# Altium PCB OLD_DIOT_temperature_logger.PcbDoc (part 1 of 6) (continued)
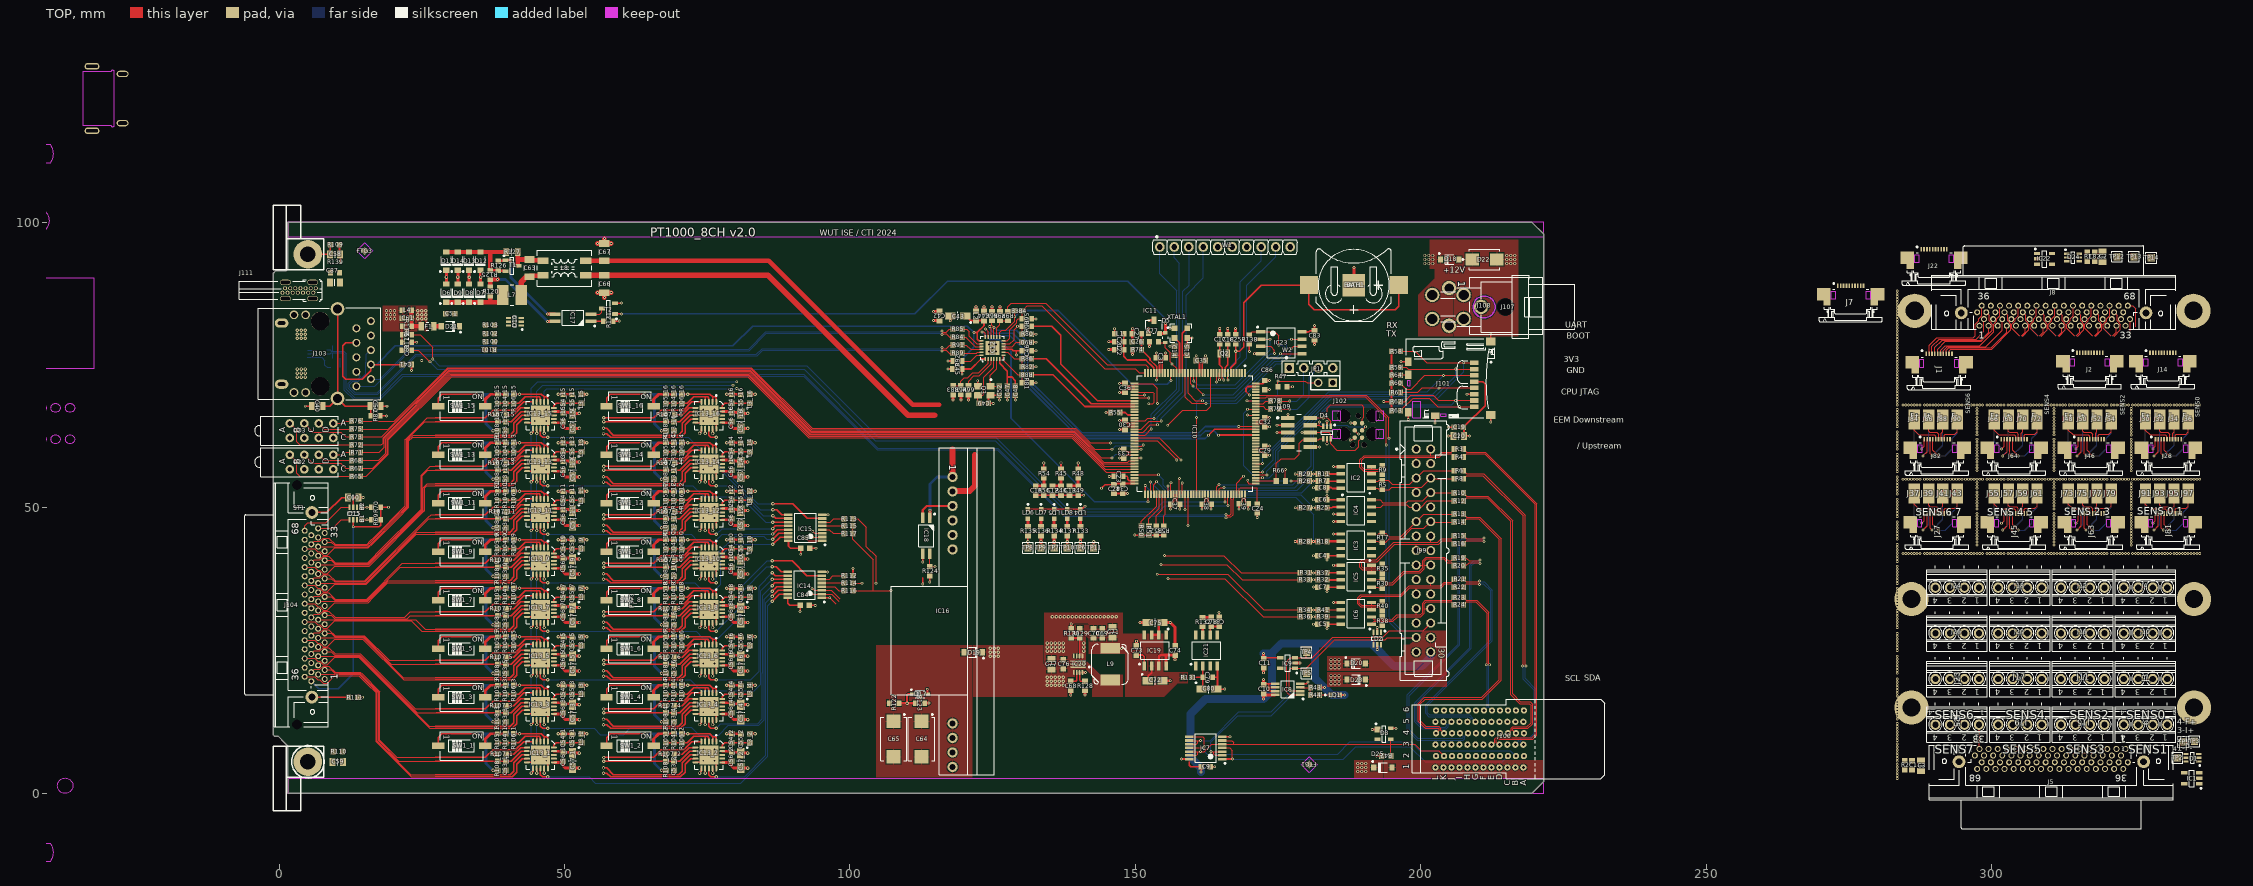
[diagram p0: TOP view]
## Classes and differential pairs
net class DEBUG: JRST RSTn SWCLK SWDIO TDI TDO
net class SPI: SPI1_CS SPI1_MISO SPI1_MOSI SPI1_NSS SPI1_SCK
net class QSPI: QSPI_BK1_CLK QSPI_BK1_D0 QSPI_BK1_D1 QSPI_BK1_D2 QSPI_BK1_D3 QSPI_BK1_NSS
net class SD: SD_CK SD_CMD SD_D0 SD_D1 SD_D2 SD_D3 SD_SW
net class LVDS: BP_IO.LVDS0_N BP_IO.LVDS0_P BP_IO.LVDS1_N BP_IO.LVDS1_P BP_IO.LVDS2_N BP_IO.LVDS2_P BP_IO.LVDS3_N BP_IO.LVDS3_P BP_IO.LVDS4_N BP_IO.LVDS4_P BP_IO.LVDS5_N BP_IO.LVDS5_P BP_IO.LVDS6_N BP_IO.LVDS6_P BP_IO.LVDS7_N BP_IO.LVDS7_P LVDS0_N LVDS0_P LVDS1_N LVDS1_P LVDS2_N LVDS2_P LVDS3_N LVDS3_P LVDS4_N LVDS4_P LVDS5_N LVDS5_P LVDS6_N LVDS6_P LVDS7_N LVDS7_P
net class PHY: AVDDT_PHY PHY_RD_N PHY_RD_P PHY_TD_N PHY_TD_P RD_N RD_P TD_N TD_P
net class RMII: PHY_NRST RMII_CRS_DV RMII_MDC RMII_MDIO RMII_REF_CLK RMII_RXD0 RMII_RXD1 RMII_TX_EN RMII_TXD0 RMII_TXD1
component class Designator: C1 C2 C3 C82 D1 D24 IC1 IC22 J1 J2 J3 J4 J5 J6 J7 J8 J9 J10 J11 J12 J13 J14 J15 J16 J17 J18 J19 J20 J21 J22 J23 J24 J25 J26 J27 J28 J29 J30 J31 J32 J33 J34 J35 J36 J37 J38 J39 J40 J41 J42 J43 J44 J45 J46 J47 J48 J49 J50 J51 J52 J53 J54 J55 J56 J57 J58 J59 J60 J61 J62 J63 J64 J65 J66 J67 J68 J69 J70 J71 J72 J73 J74 J75 J76 J77 J78 J79 J80 J81 J82 J83 J84 J85 J86 J87 J88 J89 J90 J91 J92 J93 J94 J95 J96 J97 J98 R1 R2 TP1 TP2 TP3 TP12 TP13 TP14
net class PWR: P12V0_DIOT
component class RTD_15: C53_16 C54_16 C55_16 C56_16 C57_16 IC13_16 L3_16 R104_16 R105_16 R106_16 R107_16 R108_16 SW1_16
component class RTD_14: C53_15 C54_15 C55_15 C56_15 C57_15 IC13_15 L3_15 R104_15 R105_15 R106_15 R107_15 R108_15 SW1_15
component class RTD_13: C53_14 C54_14 C55_14 C56_14 C57_14 IC13_14 L3_14 R104_14 R105_14 R106_14 R107_14 R108_14 SW1_14
component class RTD_12: C53_13 C54_13 C55_13 C56_13 C57_13 IC13_13 L3_13 R104_13 R105_13 R106_13 R107_13 R108_13 SW1_13
component class RTD_11: C53_12 C54_12 C55_12 C56_12 C57_12 IC13_12 L3_12 R104_12 R105_12 R106_12 R107_12 R108_12 SW1_12
component class RTD_10: C53_11 C54_11 C55_11 C56_11 C57_11 IC13_11 L3_11 R104_11 R105_11 R106_11 R107_11 R108_11 SW1_11
component class RTD_09: C53_10 C54_10 C55_10 C56_10 C57_10 IC13_10 L3_10 R104_10 R105_10 R106_10 R107_10 R108_10 SW1_10
component class RTD_08: C53_9 C54_9 C55_9 C56_9 C57_9 IC13_9 L3_9 R104_9 R105_9 R106_9 R107_9 R108_9 SW1_9
component class RTD_07: C53_8 C54_8 C55_8 C56_8 C57_8 IC13_8 L3_8 R104_8 R105_8 R106_8 R107_8 R108_8 SW1_8
component class RTD_06: C53_7 C54_7 C55_7 C56_7 C57_7 IC13_7 L3_7 R104_7 R105_7 R106_7 R107_7 R108_7 SW1_7
component class RTD_05: C53_6 C54_6 C55_6 C56_6 C57_6 IC13_6 L3_6 R104_6 R105_6 R106_6 R107_6 R108_6 SW1_6
component class RTD_04: C53_5 C54_5 C55_5 C56_5 C57_5 IC13_5 L3_5 R104_5 R105_5 R106_5 R107_5 R108_5 SW1_5
channel class RTD: RTD_00 RTD_01 RTD_02 RTD_03 RTD_04 RTD_05 RTD_06 RTD_07 RTD_08 RTD_09 RTD_10 RTD_11 RTD_12 RTD_13 RTD_14 RTD_15
component class RTD_03: C53_4 C54_4 C55_4 C56_4 C57_4 IC13_4 L3_4 R104_4 R105_4 R106_4 R107_4 R108_4 SW1_4
component class RTD_02: C53_3 C54_3 C55_3 C56_3 C57_3 IC13_3 L3_3 R104_3 R105_3 R106_3 R107_3 R108_3 SW1_3
component class RTD_01: C53_2 C54_2 C55_2 C56_2 C57_2 IC13_2 L3_2 R104_2 R105_2 R106_2 R107_2 R108_2 SW1_2
component class RTD_00: C53_1 C54_1 C55_1 C56_1 C57_1 IC13_1 L3_1 R104_1 R105_1 R106_1 R107_1 R108_1 SW1_1
net class HPOW: NetC63_1 NetC63_2 NetC66_2 NetC67_2 P12V0_POE POE_VC+ POE_VC- VIN
component class EEM_connector: C4 C5 C6 C7 C8 C9 C10 C11 D2 D3 IC2 IC3 IC4 IC5 IC6 IC7 IC8 IC9 J99 J100 LD1 R3 R4 R5 R6 R7 R8 R9 R10 R11 R12 R13 R14 R15 R16 R17 R18 R19 R20 R21 R22 R23 R24 R25 R30 R32 R35 R37 R38 R39 R40 R41 R42 R43 R44 TP4 TP5
component class Thermostat_16CH: C58 C59 C60 C84 C85 D15 FTG1 FTG2 FTG3 FTG4 IC14 IC15 J104 R26 R27 R28 R29 R31 R33 R34 R36 R109 R110 R111 R112 R113 R114 R115 R116 R117 SCREW5 SCREW6 SCREW7 SCREW8 ST1 Standoff1 Standoff2 Standoff4
net class HV: NetC63_1 NetC63_2 NetC66_2 NetC67_2 NetIC16_3 NetIC17_3 NetIC17_4 POE_IN1 POE_IN2 POE_IN3 POE_IN4 POE_VC+ POE_VC-
component class USB: C61 C62 C87 D16 F1 J105 J110 J111 L4 L5 L6 R57 R118 R119 R139
component class U_STM32_F4CPU: B1 B2 BAT1 BATH1 C12 C13 C14 C15 C16 C17 C18 C19 C20 C21 C22 C23 C24 C25 C26 C27 C28 C29 C30 C31 C32 C33 C34 C35 C36 C37 C38 C39 C83 C86 D4 D5 IC10 IC11 IC23 J101 J102 J109 JP1 L1 LD2 LD3 Q2 R45 R46 R47 R48 R49 R50 R51 R52 R53 R54 R55 R56 R58 R59 R60 R61 R62 R63 R64 R65 R66 R67 R68 R69 R70 R71 R72 R73 R74 R75 R76 R77 R78 R79 R138 W1 W2 XTAL1
component class RMII_Ethernet: B3 B4 C40 C41 C42 C43 C44 C45 C46 C47 C48 C49 C50 C51 C52 D6 D7 D8 D9 D10 D11 D12 D13 D14 IC12 J103 L2 Q3 R80 R81 R82 R83 R84 R85 R86 R87 R88 R89 R90 R91 R92 R93 R94 R95 R96 R97 R98 R99 R100 R101 R102 R103
component class U_Thermostat_Supply: C63 C64 C65 C66 C67 C68 C69 C70 C71 C72 C73 C74 C75 C76 C77 C78 C79 C80 C81 D17 D18 D19 D20 D21 D22 D23 D25 IC16 IC17 IC18 IC19 IC20 IC21 J107 J108 L7 L8 L9 LD4 LD5 LD6 LD7 LD8 R120 R121 R122 R123 R124 R125 R126 R127 R128 R129 R130 R131 R132 R133 R134 R135 R136 R137 T1 T2 TP6 TP7 TP8 TP9 TP10 TP11
differential pair BP_IO.LVDS1: +BP_IO.LVDS1_P -BP_IO.LVDS1_N
differential pair BP_IO.LVDS0: +BP_IO.LVDS0_P -BP_IO.LVDS0_N
differential pair BP_IO.LVDS3: +BP_IO.LVDS3_P -BP_IO.LVDS3_N
differential pair BP_IO.LVDS7: +BP_IO.LVDS7_P -BP_IO.LVDS7_N
differential pair BP_IO.LVDS6: +BP_IO.LVDS6_P -BP_IO.LVDS6_N
differential pair BP_IO.LVDS5: +BP_IO.LVDS5_P -BP_IO.LVDS5_N
differential pair BP_IO.LVDS4: +BP_IO.LVDS4_P -BP_IO.LVDS4_N
differential pair BP_IO.LVDS2: +BP_IO.LVDS2_P -BP_IO.LVDS2_N
differential pair LVDS7: +LVDS7_P -LVDS7_N
differential pair LVDS6: +LVDS6_P -LVDS6_N
differential pair LVDS5: +LVDS5_P -LVDS5_N
differential pair LVDS4: +LVDS4_P -LVDS4_N
differential pair LVDS3: +LVDS3_P -LVDS3_N
differential pair LVDS2: +LVDS2_P -LVDS2_N
differential pair LVDS1: +LVDS1_P -LVDS1_N
differential pair LVDS0: +LVDS0_P -LVDS0_N
differential pair TD: +TD_P -TD_N
differential pair RD: +RD_P -RD_N
differential pair USB: +USB_P -USB_N
differential pair USBJ: +USBJ_P -USBJ_N
differential pair PHY_TD: +PHY_TD_P -PHY_TD_N
differential pair PHY_RD: +PHY_RD_P -PHY_RD_N

## Components (designator, comment, footprint, x,y, rotation, side; value= is the part's Value field where it differs from the comment)
B1 "SMD Pad" C100 14.5,47.9 r90 top
B2 "SMD Pad" C100 14.5,50.1 r90 top
B3 "SMD Pad" C100 128.9,84.5 r0 top
B4 "SMD Pad" C100 130.2,84.5 r0 top
BAT1 "3V" BAT_VARTA_CR1220 188.3,89 r0 top
BATH1 "Value" BATH_KEYSTONE_3000 188.3,89 r0 top locked
C1 "100nF" CAPC1608X87N 286.1,4.9 r90 top
C2 "Undefined" CAPC2012X135N 319.5,93.999 r90 top
C3 "Undefined" CAPC2012X135N 287.7,4.8 r90 top
C4 "100nF" CAPC1608X87N 182.8,41.6 r180 top
C5 "100nF" CAPC1608X87N 182.8,29.6 r180 top
C6 "100nF" CAPC1608X87N 182.8,51.4 r0 top
C7 "100nF" CAPC1608X87N 182.8,36.1 r180 top
C8 "100nF" CAPC1608X87N 182.8,53.5 r180 top
C9 "100nF" CAPC1608X87N 162.35,4.625 r180 top
C10 "100nF" CAPC1608X87N 172.5,18.2 r270 top
C11 "100nF" CAPC1608X87N 172.5,22.8 r90 top
C12 "100nF" CAPC1608X87N 135.5,53 r90 top
C13 "100nF" CAPC1608X87N 138.5,53 r90 top
C14 "12pF" CAPC1608X87N 156.9,77.5 r90 top
C15 "12pF" CAPC1608X87N 159.1,77.5 r90 top
C16 "100nF" CAPC1608X87N 132.591,53 r90 top
C17 "12pF" CAPC1608X87N 164.8,79.5 r90 top
C18 "12pF" CAPC1608X87N 166.2,79.5 r90 top
C19 "100nF" CAPC1608X87N 206.7,64.1 r0 top
C20 "22uF" CAPC2012X135N 206.7,62.6 r0 top
C21 "1uF" CAPC1608X87N 147.2,79.1 r0 top
C22 "10nF" CAPC1608X87N 147.2,77.7 r0 top
C23 "2.2uF" CAPC1608X90N 147.1,55.5 r0 top
C24 "2.2uF" CAPC1608X90N 171.4,49.9 r90 top
C25 "100nF" CAPC1608X87N 167.6,79.5 r270 top
C26 "10nF" CAPC1608X87N 150.3,79.1 r0 top
C27 "1uF" CAPC1608X87N 150.3,80.5 r0 top
C28 "10uF" CAPC1608X80N 146.3,53.3 r270 top
C29 "100nF" CAPC1608X87N 172.7,60 r90 top
C30 "100nF" CAPC1608X87N 148.2,64.5 r270 top
C31 "100nF" CAPC1608X87N 154.5,76.3 r0 top
C32 "100nF" CAPC1608X87N 172.7,65 r90 top
C33 "100nF" CAPC1608X87N 148,59.5 r270 top
C34 "100nF" CAPC1608X87N 147.8,53.3 r90 top
C35 "100nF" CAPC1608X87N 161.5,75.8 r180 top
C36 "100nF" CAPC1608X87N 148.2,71 r270 top
C37 "100nF" CAPC1608X87N 157,50.6 r0 top
C38 "100nF" CAPC1608X87N 162.5,50.6 r0 top
C39 "100nF" CAPC1608X87N 169,50.7 r0 top
C40 "Undefined" CAPC2012X135N 6.7,67.8 r180 top
C41 "100nF" CAPC1608X87N 22.4,75.1 r180 top
C42 "100nF" CAPC1608X87N 115.7,83.6 r270 top
C43 "10uF" CAPMP3216X180N 118.9,83.6 r180 top
C44 "100nF" CAPC1608X87N 123.5,83.6 r270 top
C45 "100nF" CAPC1608X87N 118.85,74.3 r0 top
C46 "100nF" CAPC1608X87N 131,77.5 r180 top
C47 "1uF" CAPC1608X87N 127.6,70.5 r90 top
C48 "10nF" CAPC1608X87N 129,70.5 r90 top
C49 "18pF" CAPC1608X87N 123.5,68.3 r180 top
C50 "Undefined" CAPC2012X135N 16.9,67.8 r0 top
C51 "100nF" CAPC1608X87N 30,84 r180 top
C52 "18pF" CAPC1608X87N 126.2,70.5 r90 top
C53_1 "100nF" CAPC1608X87N 39.7,4.8 r90 top (schematic designator C53)
C53_2 "100nF" CAPC1608X87N 69.2,4.8 r90 top (schematic designator C53)
C53_3 "100nF" CAPC1608X87N 39.7,13.3 r90 top (schematic designator C53)
C53_4 "100nF" CAPC1608X87N 69.2,13.3 r90 top (schematic designator C53)
C53_5 "100nF" CAPC1608X87N 39.7,21.8 r90 top (schematic designator C53)
C53_6 "100nF" CAPC1608X87N 69.2,21.8 r90 top (schematic designator C53)
C53_7 "100nF" CAPC1608X87N 39.7,30.3 r90 top (schematic designator C53)
C53_8 "100nF" CAPC1608X87N 69.2,30.3 r90 top (schematic designator C53)
C53_9 "100nF" CAPC1608X87N 39.7,38.8 r90 top (schematic designator C53)
C53_10 "100nF" CAPC1608X87N 69.2,38.8 r90 top (schematic designator C53)
C53_11 "100nF" CAPC1608X87N 39.7,47.3 r90 top (schematic designator C53)
C53_12 "100nF" CAPC1608X87N 69.2,47.3 r90 top (schematic designator C53)
C53_13 "100nF" CAPC1608X87N 39.7,55.8 r90 top (schematic designator C53)
C53_14 "100nF" CAPC1608X87N 69.2,55.8 r90 top (schematic designator C53)
C53_15 "100nF" CAPC1608X87N 39.7,64.3 r90 top (schematic designator C53)
C53_16 "100nF" CAPC1608X87N 69.2,64.3 r90 top (schematic designator C53)
C54_1 "100nF" CAPC1608X87N 49.8,9.6 r270 top (schematic designator C54)
C54_2 "100nF" CAPC1608X87N 79.3,9.6 r270 top (schematic designator C54)
C54_3 "100nF" CAPC1608X87N 49.8,18.1 r270 top (schematic designator C54)
C54_4 "100nF" CAPC1608X87N 79.3,18.1 r270 top (schematic designator C54)
C54_5 "100nF" CAPC1608X87N 49.8,26.6 r270 top (schematic designator C54)
C54_6 "100nF" CAPC1608X87N 79.3,26.6 r270 top (schematic designator C54)
C54_7 "100nF" CAPC1608X87N 49.8,35.1 r270 top (schematic designator C54)
C54_8 "100nF" CAPC1608X87N 79.3,35.1 r270 top (schematic designator C54)
C54_9 "100nF" CAPC1608X87N 49.8,43.6 r270 top (schematic designator C54)
C54_10 "100nF" CAPC1608X87N 79.3,43.6 r270 top (schematic designator C54)
C54_11 "100nF" CAPC1608X87N 49.8,52.1 r270 top (schematic designator C54)
C54_12 "100nF" CAPC1608X87N 79.3,52.1 r270 top (schematic designator C54)
C54_13 "100nF" CAPC1608X87N 49.8,60.6 r270 top (schematic designator C54)
C54_14 "100nF" CAPC1608X87N 79.3,60.6 r270 top (schematic designator C54)
C54_15 "100nF" CAPC1608X87N 49.8,69.1 r270 top (schematic designator C54)
C54_16 "100nF" CAPC1608X87N 79.3,69.1 r270 top (schematic designator C54)
C55_1 "2.2uF" CAPC1608X90N 51.4,9.6 r270 top (schematic designator C55)
C55_2 "2.2uF" CAPC1608X90N 80.9,9.6 r270 top (schematic designator C55)
C55_3 "2.2uF" CAPC1608X90N 51.4,18.1 r270 top (schematic designator C55)
C55_4 "2.2uF" CAPC1608X90N 80.9,18.1 r270 top (schematic designator C55)
C55_5 "2.2uF" CAPC1608X90N 51.4,26.6 r270 top (schematic designator C55)
C55_6 "2.2uF" CAPC1608X90N 80.9,26.6 r270 top (schematic designator C55)
C55_7 "2.2uF" CAPC1608X90N 51.4,35.1 r270 top (schematic designator C55)
C55_8 "2.2uF" CAPC1608X90N 80.9,35.1 r270 top (schematic designator C55)
C55_9 "2.2uF" CAPC1608X90N 51.4,43.6 r270 top (schematic designator C55)
C55_10 "2.2uF" CAPC1608X90N 80.9,43.6 r270 top (schematic designator C55)
C55_11 "2.2uF" CAPC1608X90N 51.4,52.1 r270 top (schematic designator C55)
C55_12 "2.2uF" CAPC1608X90N 80.9,52.1 r270 top (schematic designator C55)
C55_13 "2.2uF" CAPC1608X90N 51.4,60.6 r270 top (schematic designator C55)
C55_14 "2.2uF" CAPC1608X90N 80.9,60.6 r270 top (schematic designator C55)
C55_15 "2.2uF" CAPC1608X90N 51.4,69.1 r270 top (schematic designator C55)
C55_16 "2.2uF" CAPC1608X90N 80.9,69.1 r270 top (schematic designator C55)
C56_1 "100nF" CAPC1608X87N 49.8,6.375 r90 top (schematic designator C56)
C56_2 "100nF" CAPC1608X87N 79.3,6.375 r90 top (schematic designator C56)
C56_3 "100nF" CAPC1608X87N 49.8,14.875 r90 top (schematic designator C56)
C56_4 "100nF" CAPC1608X87N 79.3,14.875 r90 top (schematic designator C56)
C56_5 "100nF" CAPC1608X87N 49.8,23.375 r90 top (schematic designator C56)
C56_6 "100nF" CAPC1608X87N 79.3,23.375 r90 top (schematic designator C56)
C56_7 "100nF" CAPC1608X87N 49.8,31.875 r90 top (schematic designator C56)
C56_8 "100nF" CAPC1608X87N 79.3,31.875 r90 top (schematic designator C56)
C56_9 "100nF" CAPC1608X87N 49.8,40.375 r90 top (schematic designator C56)
C56_10 "100nF" CAPC1608X87N 79.3,40.375 r90 top (schematic designator C56)
C56_11 "100nF" CAPC1608X87N 49.8,48.875 r90 top (schematic designator C56)
C56_12 "100nF" CAPC1608X87N 79.3,48.875 r90 top (schematic designator C56)
C56_13 "100nF" CAPC1608X87N 49.8,57.375 r90 top (schematic designator C56)
C56_14 "100nF" CAPC1608X87N 79.3,57.375 r90 top (schematic designator C56)
C56_15 "100nF" CAPC1608X87N 49.8,65.875 r90 top (schematic designator C56)
C56_16 "100nF" CAPC1608X87N 79.3,65.875 r90 top (schematic designator C56)
C57_1 "10uF" CAPMP3216X180N 51.4,5.7 r270 top (schematic designator C57)
C57_2 "10uF" CAPMP3216X180N 80.9,5.7 r270 top (schematic designator C57)
C57_3 "10uF" CAPMP3216X180N 51.4,14.2 r270 top (schematic designator C57)
C57_4 "10uF" CAPMP3216X180N 80.9,14.2 r270 top (schematic designator C57)
C57_5 "10uF" CAPMP3216X180N 51.4,22.7 r270 top (schematic designator C57)
C57_6 "10uF" CAPMP3216X180N 80.9,22.7 r270 top (schematic designator C57)
C57_7 "10uF" CAPMP3216X180N 51.4,31.2 r270 top (schematic designator C57)
C57_8 "10uF" CAPMP3216X180N 80.9,31.2 r270 top (schematic designator C57)
C57_9 "10uF" CAPMP3216X180N 51.4,39.7 r270 top (schematic designator C57)
C57_10 "10uF" CAPMP3216X180N 80.9,39.7 r270 top (schematic designator C57)
C57_11 "10uF" CAPMP3216X180N 51.4,48.2 r270 top (schematic designator C57)
C57_12 "10uF" CAPMP3216X180N 80.9,48.2 r270 top (schematic designator C57)
C57_13 "10uF" CAPMP3216X180N 51.4,56.7 r270 top (schematic designator C57)
C57_14 "10uF" CAPMP3216X180N 80.9,56.7 r270 top (schematic designator C57)
C57_15 "10uF" CAPMP3216X180N 51.4,65.2 r270 top (schematic designator C57)
C57_16 "10uF" CAPMP3216X180N 80.9,65.2 r270 top (schematic designator C57)
C58 "Undefined" CAPC2012X135N 9.8,94.4 r0 top
C59 "Undefined" CAPC2012X135N 10.3,5.5 r0 top
C60 "Undefined" CAPC2012X135N 13,51.8 r180 top
C61 "100nF" CAPC1608X87N 22.4,83.2 r0 top
C62 "100nF" CAPC1608X87N 22.4,77.6 r0 top
C63 "4.7nF" CAPC3216X140N 43.9,92 r270 top
C64 "220uF" CAPMP7343X430N 112.575,9.475 r270 top
C65 "220uF" CAPMP7343X430N 107.675,9.475 r270 top
C66 "4.7nF" CAPC3216X140N 57,89.2 r90 top
C67 "4.7nF" CAPC3216X140N 57,94.8 r270 top
C68 "100nF" CAPC1608X87N 138.7,18.8 r90 top
C69 "100nF" CAPC1608X87N 144.2,28 r270 top
C70 "100nF" CAPC1608X87N 142.7,28 r270 top
C71 "22uF" CAPC2012X135N 146,28.2 r270 top
C72 "10uF" CAPMP3216X180N 153.5,19.7 r0 top
C73 "100nF" CAPC1608X87N 150.2,25 r270 top
C74 "100nF" CAPC1608X87N 157,25 r90 top
C75 "10uF" CAPMP3216X180N 153.5,29.9 r180 top
C76 "100nF" CAPC1608X87N 137.4,22.6 r270 top
C77 "22uF" CAPC2012X135N 135.3,22.6 r270 top
C78 "10nF" CAPC1608X87N 163.3,30 r90 top
C79 "100nF" CAPC1608X87N 162.7,20.3 r180 top
C80 "10uF" CAPMP3216X180N 162.9,18.225 r0 top
C81 "100nF" CAPC1608X87N 164.7,30 r270 top
C82 "100nF" CAPC1608X87N 318.1,93.999 r90 top
C83 "100nF" CAPC1608X87N 181.4,80.2 r90 top
C84 "100nF" CAPC1608X87N 92.1,32.9 r180 top
C85 "100nF" CAPC1608X87N 92.2,42.9 r180 top
C86 "100nF" CAPC1608X87N 172.7,71.5 r90 top
C87 "Undefined" CAPC2012X135N 9.8,89.5 r180 top
D1 "DRTR5V0U4S-7" SOT65P210X110-6N 335.2,6.2 r180 top
D2 "DRTR5V0U4S-7" SOT65P210X110-6N 192.4,27.1 r270 top
D3 "PRTR5V0U2X" SOT190P230X110-4N 193.6,10.4 r0 top
D4 "DRTR5V0U4S-7" SOT65P210X110-6N 183.6,63.2 r270 top
D5 "CDBU0520-HF" SOD-523F 155.3,79.8 r270 top
D6 "PMEG6020ER" SODFL3517X110N 29.3,87.6 r90 top
D7 "PMEG6020ER" SODFL3517X110N 35.3,87.6 r90 top
D8 "PMEG6020ER" SODFL3517X110N 33.3,87.6 r90 top
D9 "PMEG6020ER" SODFL3517X110N 31.3,87.6 r90 top
D10 "DRTR5V0U4S-7" SOT65P210X110-6N 41.3,82.6 r180 top
D11 "PMEG6020ER" SODFL3517X110N 29.3,93.2 r90 top
D12 "PMEG6020ER" SODFL3517X110N 35.3,93.2 r90 top
D13 "PMEG6020ER" SODFL3517X110N 33.3,93.2 r90 top
D14 "PMEG6020ER" SODFL3517X110N 31.3,93.2 r90 top
D15 "DRTR5V0U4S-7" SOT65P210X110-6N 13,49 r270 top
D16 "DRTR5V0U4S-7" SOT65P210X110-6N 10.1,77.3 r90 bottom
D17 "MM3Z3V3ST1G" SOD2512X110N 112.275,17.375 r0 top
D18 "PMEG6020ER" SODFL3517X110N 205.1,93.5 r0 top
D19 "PMEG6020ER" SODFL3517X110N 121.6,24.7 r180 top
D20 "PMEG6020ER" SODFL3517X110N 188.7,22.7 r0 top
D21 "PMEG6020ER" SODFL3517X110N 30,81.8 r180 top
D22 "SMBJ15A" DIOM5336X265N 211.2,93.5 r0 top
D23 "PMEG6020ER" SODFL3517X110N 188.7,19.9 r180 top
D24 "DRTR5V0U4S-7" SOT65P210X110-6N 314.3,93.85 r0 top
D25 "PMEG6020ER" SODFL3517X110N 193.4,4.5 r0 top
F1 "500mA-6V" FUSR_BOURNS_MF-PSMF050 26,81.8 r0 top
FTG1 "Use only in PCB" FIDUCIAL_TOP_S100-200 180.5,5 r90 top
FTG2 "Use only in PCB" FIDUCIAL_TOP_S100-200 13,95 r0 bottom
FTG3 "Use only in PCB" FIDUCIAL_TOP_S100-200 15,95 r90 top
FTG4 "Use only in PCB" FIDUCIAL_TOP_S100-200 195,5 r90 bottom
IC1 "24AA02E48T-I/OT" SOT95P280X145-5N 335.1,2.6 r180 top
IC2 "FIN1028MX" SOIC127P600X175-8N 188.7,55.3 r180 top
IC3 "FIN1028MX" SOIC127P600X175-8N 188.7,43.5 r180 top
IC4 "FIN1027AMX" SOIC127P600X175-8N 188.7,49.5 r0 top
IC5 "FIN1028MX" SOIC127P600X175-8N 188.7,38 r180 top
IC6 "FIN1028MX" SOIC127P600X175-8N 188.7,31.5 r180 top
IC7 "74HC4066PW" SOP65P640X110-14N 162.35,7.925 r180 top
IC8 "LM75AIMM/NOPB" SOP65P490X109-8N 176.7,18.2 r180 top
IC9 "24AA02E48T-I/OT" SOT95P280X145-5N 176.7,22.8 r180 top
IC10 "STM32H743ZIT6" FP-LQFP144-1A-MFG 160.5,63 r270 top locked
IC11 "STM809SWX6F" SOT-23 153.3,81.7 r0 top
IC12 "LAN8742A-CZ-TR" QFN24_0R5_4X4 125,78 r90 top
IC13_1 "MAX31865ATP+" QFN65P500X500X80-21N-S335 45.8,6.7 r270 top (schematic designator IC13)
IC13_2 "MAX31865ATP+" QFN65P500X500X80-21N-S335 75.3,6.7 r270 top (schematic designator IC13)
IC13_3 "MAX31865ATP+" QFN65P500X500X80-21N-S335 45.8,15.2 r270 top (schematic designator IC13)
IC13_4 "MAX31865ATP+" QFN65P500X500X80-21N-S335 75.3,15.2 r270 top (schematic designator IC13)
IC13_5 "MAX31865ATP+" QFN65P500X500X80-21N-S335 45.8,23.7 r270 top (schematic designator IC13)
IC13_6 "MAX31865ATP+" QFN65P500X500X80-21N-S335 75.3,23.7 r270 top (schematic designator IC13)
IC13_7 "MAX31865ATP+" QFN65P500X500X80-21N-S335 45.8,32.2 r270 top (schematic designator IC13)
IC13_8 "MAX31865ATP+" QFN65P500X500X80-21N-S335 75.3,32.2 r270 top (schematic designator IC13)
IC13_9 "MAX31865ATP+" QFN65P500X500X80-21N-S335 45.8,40.7 r270 top (schematic designator IC13)
IC13_10 "MAX31865ATP+" QFN65P500X500X80-21N-S335 75.3,40.7 r270 top (schematic designator IC13)
IC13_11 "MAX31865ATP+" QFN65P500X500X80-21N-S335 45.8,49.2 r270 top (schematic designator IC13)
IC13_12 "MAX31865ATP+" QFN65P500X500X80-21N-S335 75.3,49.2 r270 top (schematic designator IC13)
IC13_13 "MAX31865ATP+" QFN65P500X500X80-21N-S335 45.8,57.7 r270 top (schematic designator IC13)
IC13_14 "MAX31865ATP+" QFN65P500X500X80-21N-S335 75.3,57.7 r270 top (schematic designator IC13)
IC13_15 "MAX31865ATP+" QFN65P500X500X80-21N-S335 45.8,66.2 r270 top (schematic designator IC13)
IC13_16 "MAX31865ATP+" QFN65P500X500X80-21N-S335 75.3,66.2 r270 top (schematic designator IC13)
IC14 "74HC138PW" SOP65P640X110-16N 92.1,36.5 r180 top
IC15 "74HC138PW" SOP65P640X110-16N 92.2,46.5 r180 top
IC16 "AG5300" SILVERTEL_AG5300 118,30 r270 top locked
IC17 "ACPL-217-500E" SOIC127P700X242-4N 51.5,83.3 r180 top
IC18 "ACPL-217-500E" SOIC127P700X242-4N 113.4,45.1 r270 top
IC19 "MAX6126AASA30+" SOIC127P600X175-8N 153.5,25 r90 top
IC20 "TPS62148RGX" TEXAS_RGX0011A 140,22.6 r180 top
IC21 "ADR433BRZ" SOIC127P600X175-8N 162.5,25 r90 top
IC22 "24AA02E48T-I/OT" SOT95P280X145-5N 309.3,93.6 r0 top
IC23 "W25Q128FVSIG" SOIC127P790X216-8N 175.6,78.9 r0 top
J1 "FFC/FPC" MOLEX_52745-1097#1 290.84,77 r0 top
J2 "FFC/FPC" MOLEX_52745-1097#2 317.24,77.136 r0 top
J3 "" PHOENIX_1725672 327,20 r180 top
J4 "" PHOENIX_1725672 327,36 r180 top
J5 "DNP" MOLEX_71430-0013 310.5,6 r180 top
J6 "FFC/FPC" MOLEX_52745-1097#2 290.84,77 r180 bottom
J7 "FFC/FPC" MOLEX_52745-1097#2 275.35,88.9 r0 top
J8 "DNP" MOLEX_71430-0013 310.905,83.65 r0 top
J9 "" PHOENIX_1725672 327,12 r180 top
J10 "" PHOENIX_1725672 327,28 r180 top
J11 "" PHOENIX_1725672 316,20 r180 top
J12 "" PHOENIX_1725672 316,36 r180 top
J13 "FFC/FPC" MOLEX_52745-1097#1 317.24,77 r180 bottom
J14 "FFC/FPC" MOLEX_52745-1097#2 330.05,77.136 r0 top
J15 "" PHOENIX_1725672 316,12 r180 top
J16 "" PHOENIX_1725672 316,28 r180 top
J17 "" PHOENIX_1725672 305,20 r180 top
J18 "" PHOENIX_1725672 305,36 r180 top
J19 "" PHOENIX_1725672 305,12 r180 top
J20 "" PHOENIX_1725672 305,28 r180 top
J21 "FFC/FPC" MOLEX_52745-1097#1 330.05,77 r180 bottom
J22 "FFC/FPC" MOLEX_52745-1097#2 289.95,95.3 r0 top
J23 "" PHOENIX_1725672 294,20 r180 top
J24 "" PHOENIX_1725672 294,36 r180 top
J25 "" PHOENIX_1725672 294,12 r180 top
J26 "" PHOENIX_1725672 294,28 r180 top
J27 "FFC/FPC" MOLEX_52745-1097#1 290.495,49 r0 top
J28 "FFC/FPC" MOLEX_52745-1097#2 330.995,62 r0 top
J29 "SMD Pad" R350X200 286.495,52.5 r270 bottom
J30 "SMD Pad" R350X200 326.995,65.5 r90 top
J31 "SMD Pad" R350X200 288.995,52.5 r270 bottom
J32 "SMD Pad" R350X200 329.495,65.5 r90 top
J33 "SMD Pad" R350X200 291.495,52.5 r270 bottom
J34 "SMD Pad" R350X200 331.995,65.5 r90 top
J35 "SMD Pad" R350X200 293.995,52.5 r270 bottom
J36 "SMD Pad" R350X200 334.495,65.5 r90 top
J37 "SMD Pad" R350X200 286.495,52.5 r90 top
J38 "SMD Pad" R350X200 326.995,65.5 r90 bottom
J39 "SMD Pad" R350X200 288.995,52.5 r90 top
J40 "SMD Pad" R350X200 329.495,65.5 r90 bottom
J41 "SMD Pad" R350X200 291.495,52.5 r90 top
J42 "SMD Pad" R350X200 331.995,65.5 r90 bottom
J43 "SMD Pad" R350X200 293.995,52.5 r90 top
J44 "SMD Pad" R350X200 334.495,65.5 r90 bottom
J45 "FFC/FPC" MOLEX_52745-1097#1 303.995,49 r0 top
J46 "FFC/FPC" MOLEX_52745-1097#2 317.495,62 r0 top
J47 "SMD Pad" R350X200 300.495,52.5 r270 bottom
J48 "SMD Pad" R350X200 313.495,65.5 r90 top
J49 "SMD Pad" R350X200 302.995,52.5 r270 bottom
J50 "SMD Pad" R350X200 315.995,65.5 r90 top
J51 "SMD Pad" R350X200 305.495,52.5 r270 bottom
J52 "SMD Pad" R350X200 318.495,65.5 r90 top
J53 "SMD Pad" R350X200 307.995,52.5 r270 bottom
J54 "SMD Pad" R350X200 320.995,65.5 r90 top
J55 "SMD Pad" R350X200 300.495,52.5 r90 top
J56 "SMD Pad" R350X200 313.495,65.5 r90 bottom
J57 "SMD Pad" R350X200 302.995,52.5 r90 top
J58 "SMD Pad" R350X200 315.995,65.5 r90 bottom
J59 "SMD Pad" R350X200 305.495,52.5 r90 top
J60 "SMD Pad" R350X200 318.495,65.5 r90 bottom
J61 "SMD Pad" R350X200 307.995,52.5 r90 top
J62 "SMD Pad" R350X200 320.995,65.5 r90 bottom
J63 "FFC/FPC" MOLEX_52745-1097#1 317.495,49 r0 top
J64 "FFC/FPC" MOLEX_52745-1097#2 303.995,62 r0 top
J65 "SMD Pad" R350X200 313.495,52.5 r270 bottom
J66 "SMD Pad" R350X200 300.495,65.5 r90 top
J67 "SMD Pad" R350X200 315.995,52.5 r270 bottom
J68 "SMD Pad" R350X200 302.995,65.5 r90 top
J69 "SMD Pad" R350X200 318.495,52.5 r270 bottom
J70 "SMD Pad" R350X200 305.495,65.5 r90 top
J71 "SMD Pad" R350X200 320.995,52.5 r270 bottom
J72 "SMD Pad" R350X200 307.995,65.5 r90 top
J73 "SMD Pad" R350X200 313.495,52.5 r90 top
J74 "SMD Pad" R350X200 300.495,65.5 r90 bottom
J75 "SMD Pad" R350X200 315.995,52.5 r90 top
J76 "SMD Pad" R350X200 302.995,65.5 r90 bottom
J77 "SMD Pad" R350X200 318.495,52.5 r90 top
J78 "SMD Pad" R350X200 305.495,65.5 r90 bottom
J79 "SMD Pad" R350X200 320.995,52.5 r90 top
J80 "SMD Pad" R350X200 307.995,65.5 r90 bottom
J81 "FFC/FPC" MOLEX_52745-1097#1 330.995,49 r0 top
J82 "FFC/FPC" MOLEX_52745-1097#2 290.495,62 r0 top
J83 "SMD Pad" R350X200 326.995,52.5 r90 bottom
J84 "SMD Pad" R350X200 286.495,65.5 r90 top
J85 "SMD Pad" R350X200 329.495,52.5 r90 bottom
J86 "SMD Pad" R350X200 288.995,65.5 r90 top
J87 "SMD Pad" R350X200 331.995,52.5 r90 bottom
J88 "SMD Pad" R350X200 291.495,65.5 r90 top
J89 "SMD Pad" R350X200 334.495,52.5 r90 bottom
J90 "SMD Pad" R350X200 293.995,65.5 r90 top
J91 "SMD Pad" R350X200 326.995,52.5 r270 top
J92 "SMD Pad" R350X200 286.495,65.5 r90 bottom
J93 "SMD Pad" R350X200 329.495,52.5 r270 top
J94 "SMD Pad" R350X200 288.995,65.5 r90 bottom
J95 "SMD Pad" R350X200 331.995,52.5 r270 top
J96 "SMD Pad" R350X200 291.495,65.5 r90 bottom
J97 "SMD Pad" R350X200 334.495,52.5 r270 top
J98 "SMD Pad" R350X200 293.995,65.5 r90 bottom
J99 "Header 30" 3M_N2530-6002RB 200.5,42.5 r270 top locked
J100 "AirMax VS" AMPHENOL_10052825-101LF 210.35,9.5 r90 top locked
J101 "microSD" MOLEX_502570-0893 209.4,71.55 r270 top
J102 "JTAG-6 Needle" "JTAG - Needle 6-pin" 189.1,66.1 r270 top
J103 "RJ45" ABRACON_ARJM11C7-114-BA-EW2 7.2,77 r270 top locked
J104 "DNP" MOLEX_71430-0013 6.25,33 r90 top locked
J105 "USB" UJ2-MIBH-4-MSMT 0.2,77 r270 bottom
J107 "Jack" SWITCHCRAFT_L712RA 204.997,81.885 r180 top
J108 "Mini-Fit Jr.™" MOLEX_39-30-0040 204.791,85.185 r270 top
J109 "Header 10" HARWIN_M50-3600542 178.7,63.2 r270 top locked
J110 "USB 3.1" MOLEX_1054550101 -32.77,121.7 r90 bottom
J111 "USB 2.0" KYCON_KUSBX-SL-CS1N14-B 3.3,88.07 r270 top
JP1 "1798942 (goldpin 2x 2.54)" jump 184.6,71.9 r270 top
L1 "220R@100MHz" INDC1608X95N 147.2,80.5 r0 top
L2 "220R@100MHz" INDC1608X95N 122.1,83.6 r270 top
L3_1 "220R@100MHz" INDC1608X95N 53,9.6 r90 top (schematic designator L3)
L3_2 "220R@100MHz" INDC1608X95N 82.5,9.6 r90 top (schematic designator L3)
L3_3 "220R@100MHz" INDC1608X95N 53,18.1 r90 top (schematic designator L3)
L3_4 "220R@100MHz" INDC1608X95N 82.5,18.1 r90 top (schematic designator L3)
L3_5 "220R@100MHz" INDC1608X95N 53,26.6 r90 top (schematic designator L3)
L3_6 "220R@100MHz" INDC1608X95N 82.5,26.6 r90 top (schematic designator L3)
L3_7 "220R@100MHz" INDC1608X95N 53,35.1 r90 top (schematic designator L3)
L3_8 "220R@100MHz" INDC1608X95N 82.5,35.1 r90 top (schematic designator L3)
L3_9 "220R@100MHz" INDC1608X95N 53,43.6 r90 top (schematic designator L3)
L3_10 "220R@100MHz" INDC1608X95N 82.5,43.6 r90 top (schematic designator L3)
L3_11 "220R@100MHz" INDC1608X95N 53,52.1 r90 top (schematic designator L3)
L3_12 "220R@100MHz" INDC1608X95N 82.5,52.1 r90 top (schematic designator L3)
L3_13 "220R@100MHz" INDC1608X95N 53,60.6 r90 top (schematic designator L3)
L3_14 "220R@100MHz" INDC1608X95N 82.5,60.6 r90 top (schematic designator L3)
L3_15 "220R@100MHz" INDC1608X95N 53,69.1 r90 top (schematic designator L3)
L3_16 "220R@100MHz" INDC1608X95N 82.5,69.1 r90 top (schematic designator L3)
L4 "220R@100MHz" INDC1608X95N 22.4,84.6 r180 top
L5 "90R@100MHz" IND_MURATA_DLW21S 7.5,77.3 r0 bottom
L6 "220R@100MHz" INDC1608X95N 9.9,74.6 r180 bottom
L7 "10uH" IND_MURATA-PS_8400 40.8,87.3 r0 top
L8 "2x1mH" IND_WURTH_WE-SL2 50,92 r0 top
L9 "1.5uH" IND_TDK_SPM6530 145.6,22.6 r90 top
LD1 "Red" LED_KINGBRIGHT_KPH-1608SURCK 185,17.2 r0 top
LD2 "Green/Green/HeRed/HeRed" LED_BIVAR_H485CHHGGDL 5.7,58 r0 top
LD3 "Green/Green/HeRed/HeRed" LED_BIVAR_H485CHHGGDL 5.7,63.5 r0 top
LD4 "Green" LED_KINGBRIGHT_KPH-1608CGCK 140.4,48.9 r270 top
LD5 "Green" LED_KINGBRIGHT_KPH-1608CGCK 135.8,48.9 r270 top
LD6 "Green" LED_KINGBRIGHT_KPH-1608CGCK 131.2,48.9 r270 top
LD7 "Green" LED_KINGBRIGHT_KPH-1608CGCK 133.5,48.9 r270 top
LD8 "Green" LED_KINGBRIGHT_KPH-1608CGCK 138.1,48.9 r270 top
Q2 "32.768kHz" XTAL_ABRACON_ABS06 165.5,77 r0 top
Q3 "25MHz" XTAL_EPSON_TSX-3225 123.525,70.511 r270 top
R1 "0" RESC1608X55N 316.8,93.999 r90 top
R2 "0" RESC1608X55N 284.8,4.9 r90 top
R3 "0" RESC1608X55N 206.7,60.3 r180 top
R4 "0" RESC1608X55N 206.7,58.9 r180 top
R5 "100" RESC1608X55N 193.3,54 r90 top
R6 "0" RESC1608X55N 206.7,56.5 r180 top
R7 "100" RESC1608X55N 182.8,54.7 r0 top
R8 "0" RESC1608X55N 206.7,55.1 r180 top
R9 "100" RESC1608X55N 193.3,56.6 r90 top
R10 "0" RESC1608X55N 206.7,52.6 r180 top
R11 "100" RESC1608X55N 182.8,55.9 r0 top
R12 "0" RESC1608X55N 206.7,51.2 r180 top
R13 "0" RESC1608X55N 206.7,48.9 r180 top
R14 "0" RESC1608X55N 206.7,47.5 r180 top
R15 "0" RESC1608X55N 206.7,45.1 r180 top
R16 "0" RESC1608X55N 206.7,43.7 r180 top
R17 "100" RESC1608X55N 193.3,44.74 r90 top
R18 "100" RESC1608X55N 182.8,44.1 r0 top
R19 "0" RESC1608X55N 206.7,41.2 r180 top
R20 "0" RESC1608X55N 206.7,39.9 r180 top
R21 "0" RESC1608X55N 206.7,37.5 r180 top
R22 "0" RESC1608X55N 206.7,36.1 r180 top
R23 "0" RESC1608X55N 206.7,34.3 r180 top
R24 "0" RESC1608X55N 206.7,33 r180 top
R25 "100" RESC1608X55N 182.8,50 r0 top
R26 "0" RESC1608X55N 179.7,54.7 r0 top
R27 "0" RESC1608X55N 179.7,50 r0 top
R28 "0" RESC1608X55N 179.7,44.1 r0 top
R29 "0" RESC1608X55N 179.7,55.9 r0 top
R30 "100" RESC1608X55N 193.3,36.7 r90 top
R31 "0" RESC1608X55N 179.7,38.6 r0 top
R32 "100" RESC1608X55N 182.8,37.4 r0 top
R33 "0" RESC1608X55N 179.7,37.4 r0 top
R34 "0" RESC1608X55N 179.7,32.1 r0 top
R35 "100" RESC1608X55N 193.3,39.3 r90 top
R36 "0" RESC1608X55N 179.711,30.9 r0 top
R37 "100" RESC1608X55N 182.8,38.6 r0 top
R38 "100" RESC1608X55N 193.3,30.2 r90 top
R39 "100" RESC1608X55N 182.8,30.9 r0 top
R40 "100" RESC1608X55N 193.3,32.8 r90 top
R41 "100" RESC1608X55N 182.8,32.1 r0 top
R42 "200" RESC1608X55N 194,6.5 r0 top
R43 "51k" RESC1608X55N 181.5,18.5 r0 top
R44 "1k" RESC1608X55N 181.5,17.2 r0 top
R45 "6k8" RESC1608X55N 137,56 r90 top
R46 "1k6" RESC1608X55N 137,53 r90 top
R47 "10k" RESC1608X55N 175.8,71.2 r180 top
R48 "1k6" RESC1608X55N 140,56 r90 top
R49 "6k8" RESC1608X55N 140,53 r90 top
R50 "2k2" RESC1608X55N 151.1,46 r270 top
R51 "2k2" RESC1608X55N 152.4,46 r270 top
R52 "2k2" RESC1608X55N 153.7,46 r270 top
R53 "2k2" RESC1608X55N 155,46 r270 top
R54 "1k6" RESC1608X55N 134,56 r90 top
R55 "10k" RESC1608X55N 146.5,66.7 r180 top
R56 "6k8" RESC1608X55N 134,53 r90 top
R57 "10k" RESC1608X55N 22.4,80.3 r0 top
R58 "10k" RESC1608X55N 195.69,77.4 r180 top
R59 "10k" RESC1608X55N 195.69,74.6 r180 top
R60 "10k" RESC1608X55N 195.69,71.8 r180 top
R61 "10k" RESC1608X55N 195.7,70.2 r180 top
R62 "10k" RESC1608X55N 195.7,68.6 r180 top
R63 "10k" RESC1608X55N 195.7,67 r180 top
R64 "10k" RESC1608X55N 195.69,73.2 r180 top
R65 "1k" RESC1608X55N 13.5,55.5 r180 top
R66 "10k" RESC1608X55N 175.5,54.7 r0 top
R67 "1k" RESC1608X55N 13.5,56.9 r180 top
R68 "1k" RESC1608X55N 13.5,58.3 r180 top
R69 "10k" RESC1608X55N 17,47.9 r180 top
R70 "10k" RESC1608X55N 17,50.1 r180 top
R71 "1k" RESC1608X55N 13.5,59.7 r180 top
R72 "1k" RESC1608X55N 13.5,61 r180 top
R73 "1k" RESC1608X55N 13.5,62.4 r180 top
R74 "33" RESC1608X55N 150.3,77.7 r180 top
R75 "1k" RESC1608X55N 13.5,63.8 r180 top
R76 "1k" RESC1608X55N 13.5,65.2 r180 top
R77 "10k" RESC1608X55N 153.3,79.1 r180 top
R78 "200" RESC1608X55N 174.5,68.7 r180 top
R79 "200" RESC1608X55N 174.5,67.3 r180 top
R80 "10k" RESC1608X55N 131,80.4 r0 top
R81 "10k" RESC1608X55N 131,71.9 r0 top
R82 "10k" RESC1608X55N 131,74.7 r0 top
R83 "330" RESC1608X55N 118.1,70.6 r270 top
R84 "33" RESC1608X55N 118.85,79.9 r180 top
R85 "33" RESC1608X55N 118.85,81.3 r180 top
R86 "33" RESC1608X55N 131,76.1 r180 top
R87 "0" RESC1608X55N 16.9,66.1 r180 top
R88 "33" RESC1608X55N 131,73.3 r180 top
R89 "33" RESC1608X55N 118.85,77.1 r180 top
R90 "10k" RESC1608X55N 131,79 r180 top
R91 "33" RESC1608X55N 118.85,78.5 r180 top
R92 "12k1" RESC1608X55N 118.85,75.7 r180 top
R93 "33" RESC1608X55N 131,81.8 r180 top
R94 "10k" RESC1608X55N 119.45,70.625 r90 top
R95 "1k5" RESC1608X55N 131,83.1 r180 top
R96 "10k" RESC1608X55N 126.3,83.6 r270 top
R97 "33" RESC1608X55N 127.7,83.6 r270 top
R98 "10k" RESC1608X55N 124.9,83.6 r270 top
R99 "330" RESC1608X55N 120.8,70.6 r270 top
R100 "49k9" RESC1608X55N 36.975,79.1 r180 top
R101 "49k9" RESC1608X55N 36.975,77.7 r180 top
R102 "49k9" RESC1608X55N 36.975,80.5 r180 top
R103 "49k9" RESC1608X55N 36.975,82 r180 top
R104_1 "442" RESC1608X55N 39.7,9.6 r270 top (schematic designator R104)
R104_2 "442" RESC1608X55N 69.2,9.6 r270 top (schematic designator R104)
R104_3 "442" RESC1608X55N 39.7,18.1 r270 top (schematic designator R104)
R104_4 "442" RESC1608X55N 69.2,18.1 r270 top (schematic designator R104)
R104_5 "442" RESC1608X55N 39.7,26.6 r270 top (schematic designator R104)
R104_6 "442" RESC1608X55N 69.2,26.6 r270 top (schematic designator R104)
R104_7 "442" RESC1608X55N 39.7,35.1 r270 top (schematic designator R104)
R104_8 "442" RESC1608X55N 69.2,35.1 r270 top (schematic designator R104)
R104_9 "442" RESC1608X55N 39.7,43.6 r270 top (schematic designator R104)
R104_10 "442" RESC1608X55N 69.2,43.6 r270 top (schematic designator R104)
R104_11 "442" RESC1608X55N 39.7,52.1 r270 top (schematic designator R104)
R104_12 "442" RESC1608X55N 69.2,52.1 r270 top (schematic designator R104)
R104_13 "442" RESC1608X55N 39.7,60.6 r270 top (schematic designator R104)
R104_14 "442" RESC1608X55N 69.2,60.6 r270 top (schematic designator R104)
R104_15 "442" RESC1608X55N 39.7,69.1 r270 top (schematic designator R104)
R104_16 "442" RESC1608X55N 69.2,69.1 r270 top (schematic designator R104)
R105_1 "22k" RESC1608X64N 38.3,9.6 r270 top (schematic designator R105)
R105_2 "22k" RESC1608X64N 67.8,9.6 r270 top (schematic designator R105)
R105_3 "22k" RESC1608X64N 38.3,18.1 r270 top (schematic designator R105)
R105_4 "22k" RESC1608X64N 67.8,18.1 r270 top (schematic designator R105)
R105_5 "22k" RESC1608X64N 38.3,26.6 r270 top (schematic designator R105)
R105_6 "22k" RESC1608X64N 67.8,26.6 r270 top (schematic designator R105)
R105_7 "22k" RESC1608X64N 38.3,35.1 r270 top (schematic designator R105)
R105_8 "22k" RESC1608X64N 67.8,35.1 r270 top (schematic designator R105)
R105_9 "22k" RESC1608X64N 38.3,43.6 r270 top (schematic designator R105)
R105_10 "22k" RESC1608X64N 67.8,43.6 r270 top (schematic designator R105)
R105_11 "22k" RESC1608X64N 38.3,52.1 r270 top (schematic designator R105)
R105_12 "22k" RESC1608X64N 67.8,52.1 r270 top (schematic designator R105)
R105_13 "22k" RESC1608X64N 38.3,60.6 r270 top (schematic designator R105)
R105_14 "22k" RESC1608X64N 67.8,60.6 r270 top (schematic designator R105)
R105_15 "22k" RESC1608X64N 38.3,69.1 r270 top (schematic designator R105)
R105_16 "22k" RESC1608X64N 67.8,69.1 r270 top (schematic designator R105)
R106_1 "3k92" RESC1608X55N 41.1,9.6 r270 top (schematic designator R106)
R106_2 "3k92" RESC1608X55N 70.6,9.6 r270 top (schematic designator R106)
R106_3 "3k92" RESC1608X55N 41.1,18.1 r270 top (schematic designator R106)
R106_4 "3k92" RESC1608X55N 70.6,18.1 r270 top (schematic designator R106)
R106_5 "3k92" RESC1608X55N 41.1,26.6 r270 top (schematic designator R106)
R106_6 "3k92" RESC1608X55N 70.6,26.6 r270 top (schematic designator R106)
R106_7 "3k92" RESC1608X55N 41.1,35.1 r270 top (schematic designator R106)
R106_8 "3k92" RESC1608X55N 70.6,35.1 r270 top (schematic designator R106)
R106_9 "3k92" RESC1608X55N 41.1,43.6 r270 top (schematic designator R106)
R106_10 "3k92" RESC1608X55N 70.6,43.6 r270 top (schematic designator R106)
R106_11 "3k92" RESC1608X55N 41.1,52.1 r270 top (schematic designator R106)
R106_12 "3k92" RESC1608X55N 70.6,52.1 r270 top (schematic designator R106)
R106_13 "3k92" RESC1608X55N 41.1,60.6 r270 top (schematic designator R106)
R106_14 "3k92" RESC1608X55N 70.6,60.6 r270 top (schematic designator R106)
R106_15 "3k92" RESC1608X55N 41.1,69.1 r270 top (schematic designator R106)
R106_16 "3k92" RESC1608X55N 70.6,69.1 r270 top (schematic designator R106)
R107_1 "0" RESC1608X55N 39,6.8 r0 top (schematic designator R107)
R107_2 "0" RESC1608X55N 68.5,6.8 r0 top (schematic designator R107)
R107_3 "0" RESC1608X55N 39,15.3 r0 top (schematic designator R107)
R107_4 "0" RESC1608X55N 68.5,15.3 r0 top (schematic designator R107)
R107_5 "0" RESC1608X55N 39,23.8 r0 top (schematic designator R107)